# Altium PCB S7CAS-PLEIADES-CARTE-FILLE_P02.PcbDoc (part 1 of 3) (continued)
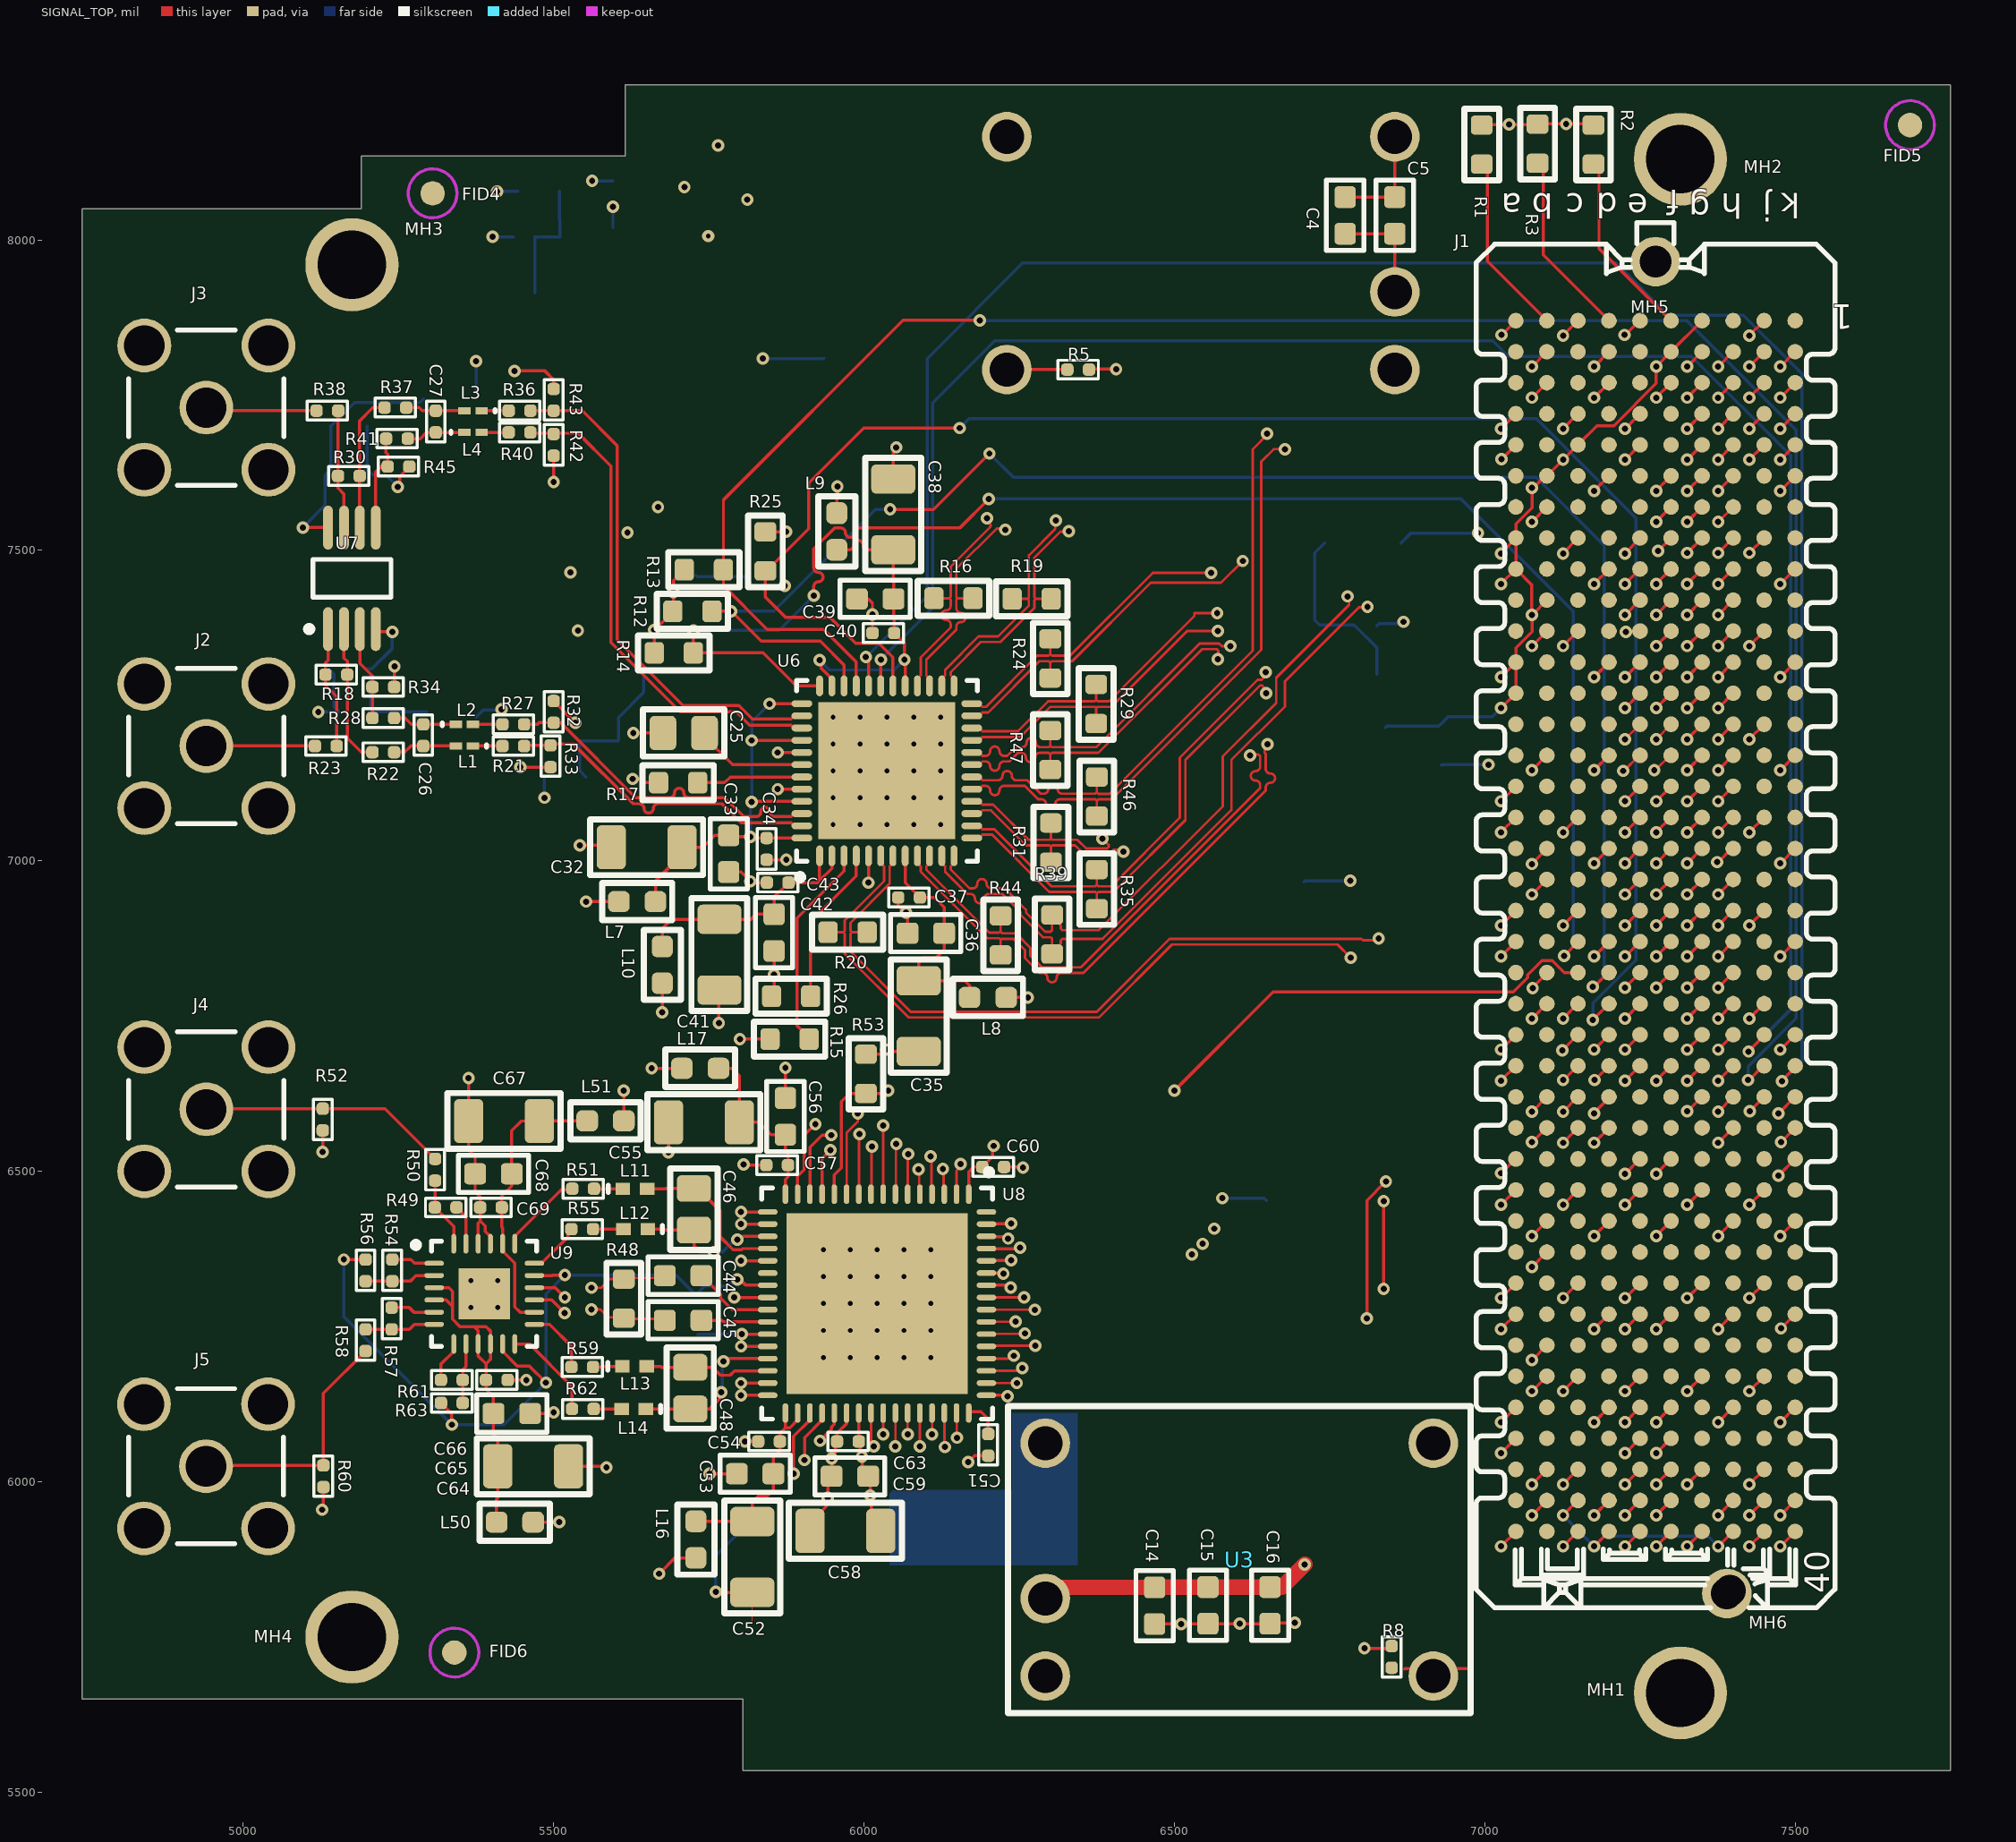
[diagram p0: SIGNAL_TOP view]
## Classes and differential pairs
differential pair class DAC_DIF: DAC_CLK DAC_D0 DAC_D1 DAC_D2 DAC_D3 DAC_D4 DAC_D5 DAC_D6 DAC_D7 DAC_DCI DAC_FRAME DAC_RAIL_I DAC_RAIL_Q
differential pair class ADC_DIF: ADC_CLK ADC_CLKOUT ADC_DA0 ADC_DA2 ADC_DA4 ADC_DA6 ADC_DA8 ADC_DA10 ADC_DA12 ADC_DB0 ADC_DB2 ADC_DB4 ADC_DB6 ADC_DB8 ADC_DB10 ADC_DB12 ADC_IN1 ADC_IN2
component class S7CAS-PLEIADES-CARTE-FILLE_P02_TITLE_SHEET: FID1 FID2 FID3 FID4 FID5 FID6 MH1 MH2 MH3 MH4 MH5 MH6
component class S7CAS-PLEIADES-CARTE-FILLE_P02_DAC: C25 C26 C27 C28 C29 C30 C31 C32 C33 C34 C35 C36 C37 C38 C39 C40 C41 C42 C43 J2 J3 L1 L2 L3 L4 L5 L6 L7 L8 L9 L10 R12 R13 R14 R15 R16 R17 R18 R19 R20 R21 R22 R23 R24 R25 R26 R27 R28 R29 R30 R31 R32 R33 R34 R35 R36 R37 R38 R39 R40 R41 R42 R43 R44 R45 R46 R47 U6 U7
component class S7CAS-PLEIADES-CARTE-FILLE_P02_CONNECTEUR_FMC: J1 R1 R2 R3
component class S7CAS-PLEIADES-CARTE-FILLE_P02_ALIMENTATION: C1 C2 C4 C5 C7 C8 C9 C12 C14 C15 C16 C17 C18 C19 C20 C21 C22 C23 C24 R4 R5 R6 R7 R8 R9 R10 R11 U1 U2 U4 U25
component class S7CAS-PLEIADES-CARTE-FILLE_P02_ADC: C44 C45 C46 C47 C48 C51 C52 C53 C54 C55 C56 C57 C58 C59 C60 C63 C64 C65 C66 C67 C68 C69 J4 J5 L11 L12 L13 L14 L16 L17 L50 L51 R48 R49 R50 R51 R52 R53 R54 R55 R56 R57 R58 R59 R60 R61 R62 R63 U8 U9
net class DIFF100: DAC_D0_N DAC_D0_P DAC_D1_N DAC_D1_P DAC_D2_N DAC_D2_P DAC_D3_P DAC_D5_N DAC_D6_N DAC_D6_P DAC_D7_N DAC_D7_P DAC_DCI_N DAC_DCI_P DAC_FRAME_N DAC_FRAME_P
differential pair ADC_IN2: +ADC_IN2_P -ADC_IN2_N
differential pair ADC_IN1: +ADC_IN1_P -ADC_IN1_N
differential pair DAC_RAIL_Q: +DAC_RAIL_Q_P -DAC_RAIL_Q_N
differential pair DAC_RAIL_I: +DAC_RAIL_I_P -DAC_RAIL_I_N
differential pair DAC_FRAME: +DAC_FRAME_P -DAC_FRAME_N
differential pair DAC_DCI: +DAC_DCI_P -DAC_DCI_N
differential pair DAC_D7: +DAC_D7_P -DAC_D7_N
differential pair DAC_D6: +DAC_D6_P -DAC_D6_N
differential pair DAC_D5: +DAC_D5_P -DAC_D5_N
differential pair DAC_D4: +DAC_D4_P -DAC_D4_N
differential pair DAC_D3: +DAC_D3_P -DAC_D3_N
differential pair DAC_D2: +DAC_D2_P -DAC_D2_N
differential pair DAC_D1: +DAC_D1_P -DAC_D1_N
differential pair DAC_D0: +DAC_D0_P -DAC_D0_N
differential pair DAC_CLK: +DAC_CLK_P -DAC_CLK_N
differential pair ADC_DB12: +ADC_DB12_P -ADC_DB12_N
differential pair ADC_DB10: +ADC_DB10_P -ADC_DB10_N
differential pair ADC_DB8: +ADC_DB8_P -ADC_DB8_N
differential pair ADC_DB6: +ADC_DB6_P -ADC_DB6_N
differential pair ADC_DB4: +ADC_DB4_P -ADC_DB4_N
differential pair ADC_DB2: +ADC_DB2_P -ADC_DB2_N
differential pair ADC_DB0: +ADC_DB0_P -ADC_DB0_N
differential pair ADC_DA12: +ADC_DA12_P -ADC_DA12_N
differential pair ADC_DA10: +ADC_DA10_P -ADC_DA10_N
differential pair ADC_DA8: +ADC_DA8_P -ADC_DA8_N
differential pair ADC_DA6: +ADC_DA6_P -ADC_DA6_N
differential pair ADC_DA4: +ADC_DA4_P -ADC_DA4_N
differential pair ADC_DA2: +ADC_DA2_P -ADC_DA2_N
differential pair ADC_DA0: +ADC_DA0_P -ADC_DA0_N
differential pair ADC_CLK: +ADC_CLK_P -ADC_CLK_N
differential pair ADC_CLKOUT: +ADC_CLKOUT_P -ADC_CLKOUT_N

## Components (designator, comment, footprint, x,y, rotation, side; value= is the part's Value field where it differs from the comment)
C1 "CAP - 0603" CAP_0603 5625,8020 r0 bottom value=100nF
C2 "CAP - 0603" CAP_0603 5625,8095 r0 bottom value=10uF
C4 "CAP - 0603" CAP_0603 6775,8039.5 r270 top value=4.7uF
C5 "CAP - 0603" CAP_0603 6855,8039.5 r270 top value=4.7uF
C7 "MAL215099101E3" CAP_ALU_1010_vishay 5935,7809.29 r90 bottom value=150uF
C8 "CAP - 0805" CAP_0805 5375,7720 r270 bottom value=10uF
C9 "CAP - 0805" CAP_0805 5476,8078 r0 bottom value=10uF
C10 "MAL215099101E3" CAP_ALU_1010_vishay 6137.71,5926 r180 bottom value=150uF
C12 "CAP - 0805" CAP_0805 5811,7486.5 r90 bottom value=1uF
C14 "CAP - 0603" CAP_0603 6468,5800.5 r90 top value=4.7uF
C15 "CAP - 0603" CAP_0603 6554,5801 r90 top value=4.7uF
C16 "CAP - 0603" CAP_0603 6654,5801 r90 top value=47nF
C17 "CAP - 0603" CAP_0603 5729,7489.5 r90 bottom value=100nF
C18 "CAP - 0805" CAP_0805 5375,7265 r90 bottom value=10uF
C19 "CAP - 0805" CAP_0805 5518.5,7135.16 r0 bottom value=10uF
C20 "CAP - 0805" CAP_0805 6930,7187.5 r270 bottom value=10uF
C21 "CAP - 0603" CAP_0603 6840,7185 r270 bottom value=100nF
C22 "CAP - TANTALUM - CASE B" CAP_TAN_1411(B) 6647,6966 r180 bottom value=22uF
C23 "MAL215099101E3" CAP_ALU_1010_vishay 6648,6453.01 r90 bottom value=150uF
C24 "CAP - TANTALUM - CASE B" CAP_TAN_1411(B) 6803.61,7512 r180 bottom value=10uF
C25 "CAP - 0805" CAP_0805 5709.5,7206 r0 top value=100nF
C26 "CAP - 0402" CAP_0402 5290,7202.5 r270 top value=220pF
C27 "CAP - 0402" CAP_0402 5310,7707.5 r90 top value=220pF
C28 "CAP - 0603" CAP_0603 5170.5,7630 r180 bottom value=3.3uF
C29 "CAP - 0603" CAP_0603 5170,7700 r180 bottom value=33nF
C30 "CAP - 0603" CAP_0603 5183.89,7240 r0 bottom value=3.3uF
C31 "CAP - 0603" CAP_0603 5167,7309 r0 bottom value=33nF
C32 "CAP - 1206" CAP_1206 5649.69,7022 r0 top value=4.7uF
C33 "CAP - 0603" CAP_0603 5782,7011.5 r90 top value=47nF
C34 "CAP - 0402" CAP_0402 5843.12,7019.23 r90 top value=470p
C35 "CAP - 1206" CAP_1206 6088,6750 r90 top value=4.7uF
C36 "CAP - 0603" CAP_0603 6099.5,6883.44 r0 top value=47nF
C37 "CAP - 0402" CAP_0402 6072.5,6941 r0 top value=470p
C38 "CAP - 1206" CAP_1206 6047,7558 r270 top value=4.7uF
C39 "CAP - 0603" CAP_0603 6018,7422 r0 top value=47nF
C40 "CAP - 0402" CAP_0402 6031,7367 r0 top value=470p
C41 "CAP - 1206" CAP_1206 5767,6849 r90 top value=4.7uF
C42 "CAP - 0603" CAP_0603 5855,6884.5 r90 top value=47nF
C43 "CAP - 0402" CAP_0402 5861,6965 r0 top value=470p
C44 "CAP - 0603" CAP_0603 5708.5,6332 r180 top value=100nF
C45 "CAP - 0603" CAP_0603 5708.5,6260 r180 top value=100nF
C46 "CAP - 0805" CAP_0805 5726,6439 r90 top value=470pF
C47 "CAP - 0805" CAP_0805 5732,6270.5 r90 bottom value=100nF
C48 "CAP - 0805" CAP_0805 5720,6151 r90 top value=470pF
C51 "CAP - 0402" CAP_0402 6200,6059.5 r90 top value=1nF
C52 "CAP - 1206" CAP_1206 5820,5879 r90 top value=10uF
C53 "CAP - 0603" CAP_0603 5824.5,6013 r0 top value=100nF
C54 "CAP - 0402" CAP_0402 5847,6065 r0 top value=1nF
C55 "CAP - 1206" CAP_1206 5742,6579 r0 top value=10uF
C56 "CAP - 0603" CAP_0603 5873.36,6588.5 r270 top value=100nF
C57 "CAP - 0402" CAP_0402 5860,6510 r0 top value=1nF
C58 "CAP - 1206" CAP_1206 5970,5921 r180 top value=10uF
C59 "CAP - 0603" CAP_0603 5977.13,6009 r180 top value=100nF
C60 "CAP - 0402" CAP_0402 6208.08,6507 r180 top value=1nF
C63 "CAP - 0402" CAP_0402 5974,6065 r180 top value=1nF
C64 "CAP - 1206" CAP_1206 5467,6025 r180 top value=10uF
C65 "CAP - 0603" CAP_0603 5432.5,6110 r180 top value=100nF
C66 "CAP - 0402" CAP_0402 5408.5,6164 r180 top value=1nF
C67 "CAP - 1206" CAP_1206 5420,6581 r0 top value=10uF
C68 "CAP - 0603" CAP_0603 5403,6496 r0 top value=100nF
C69 "CAP - 0402" CAP_0402 5399,6441.93 r0 top value=1nF
FID1 "Fiducial 1mm" FID_1MM 5305,8075 r90 bottom
FID2 "Fiducial 1mm" FID_1MM 7685,8185 r90 bottom
FID3 "Fiducial 1mm" FID_1MM 5340,5725 r90 bottom
FID4 "Fiducial 1mm" FID_1MM 5305,8075 r90 top
FID5 "Fiducial 1mm" FID_1MM 7685,8185 r90 top
FID6 "Fiducial 1mm" FID_1MM 5340,5725 r90 top
J1 "ASP-134488-01" CONN_SAMTEC_ASP-134488-01 7275,6895 r90 top
J2 "5-1814400-1" CONN_SMA_5-1814400-1 4940.5,7185 r90 top
J3 "5-1814400-1" CONN_SMA_5-1814400-1 4940.5,7730 r90 top
J4 "5-1814400-1" CONN_SMA_5-1814400-1 4940.5,6600 r90 top
J5 "5-1814400-1" CONN_SMA_5-1814400-1 4940,6025 r90 top
L1 "Inductor" 0603 5356.22,7185 r180 top value=15nH
L2 "Inductor" 0603 5356.22,7220 r0 top value=15nH
L3 "Inductor" 0603 5370,7725 r180 top value=15nH
L4 "Inductor" 0603 5370,7690 r0 top value=15nH
L5 "FER - 0603" FER_0603 5290,7714.5 r270 bottom value=100R
L6 "FER - 0603" FER_0603 5295,7269.5 r90 bottom value=100R
L7 "FER - 0603" FER_0603 5634.5,6934.46 r0 top value=100R
L8 "FER - 0603" FER_0603 6199.5,6780 r180 top value=100R
L9 "FER - 0603" FER_0603 5956,7530.5 r270 top value=100R
L10 "FER - 0603" FER_0603 5675,6832.5 r90 top value=100R
L11 "Inductor" 0402-A 5631,6472 r0 top value=15nH
L12 "Inductor" 0402-A 5632,6407 r180 top value=15nH
L13 "Inductor" 0402-A 5630.32,6186 r0 top value=15nH
L14 "Inductor" 0402-A 5629,6117.39 r180 top value=15nH
L16 "FER - 0603" FER_0603 5729,5907 r90 top value=100R
L17 "FER - 0603" FER_0603 5736,6666 r0 top value=100R
L50 "FER - 0603" FER_0603 5437.5,5935 r180 top value=100R
L51 "FER - 0603" FER_0603 5583.5,6581.36 r180 top value=100R
MH1 "Mounting Hole 6-32" MH_ENG_6-32#1 7315,5660 r0 top
MH2 "Mounting Hole 6-32" MH_ENG_6-32#1 7315,8130 r0 top
MH3 "Mounting Hole 6-32" MH_ENG_6-32#1 5175,7960 r0 top
MH4 "Mounting Hole 6-32" MH_ENG_6-32#1 5175,5750 r0 top
MH5 "Mounting Hole 6-32" MH_ENG_6-32#2 7275,7965 r0 top
MH6 "Mounting Hole 6-32" MH_ENG_6-32#2 7390,5820 r0 top
R1 "RES - 0603" RES_0603 6995,8153.5 r90 top value=10k
R2 "RES - 0603" RES_0603 7175,8153.5 r90 top value=10k
R3 "RES - 0603" RES_0603 7085,8155 r90 top value=10k
R4 "RES - 0402" RES_0402 5527.5,8005 r0 bottom value=120R0
R5 "RES - 0402" RES_0402 6345,7791.22 r180 top value=8k65
R6 "RES - 0402" RES_0402 5452.5,8005 r0 bottom value=360R0
R7 "RES - 0402" RES_0402 5524.2,7192 r180 bottom value=120R0
R8 "RES - 0402" RES_0402 6850,5718 r270 top value=11k5
R9 "RES - 0402" RES_0402 5622,7194 r180 bottom value=360R0
R10 "RES - 0402" RES_0402 6826,7283 r270 bottom value=1k
R11 "RES - 0402" RES_0402 6826,7361 r270 bottom value=3k15
R12 "RES - 0603" RES_0603 5723.5,7402 r180 top value=1k
R13 "RES - 0603" RES_0603 5742,7469 r180 top value=1k
R14 "RES - 0603" RES_0603 5693.5,7335 r180 top value=1k
R15 "RES - 0603" RES_0603 5880,6713 r180 top value=1k
R16 "RES - 0603" RES_0603 6144,7423 r0 top value=100R0
R17 "RES - 0603" RES_0603 5700.5,7126 r0 top value=10k
R18 "RES - 0402" RES_0402 5150,7300 r0 top value=1k
R19 "RES - 0603" RES_0603 6270,7422 r0 top value=100R0
R20 "RES - 0603" RES_0603 5973.5,6885 r180 top value=100R0
R21 "RES - 0402" RES_0402 5435,7185 r0 top value=10R0
R22 "RES - 0402" RES_0402 5225.5,7175 r0 top value=500R0
R23 "RES - 0402" RES_0402 5133,7185 r0 top value=50R0
R24 "RES - 0603" RES_0603 6300,7326 r270 top value=100R0
R25 "RES - 0603" RES_0603 5841,7498.5 r270 top value=1k
R26 "RES - 0603" RES_0603 5882.5,6782 r0 top value=1k
R27 "RES - 0402" RES_0402 5435,7220 r0 top value=10R0
R28 "RES - 0402" RES_0402 5225.5,7230 r0 top value=500R0
R29 "RES - 0603" RES_0603 6374,7252.68 r270 top value=100R0
R30 "RES - 0402" RES_0402 5170,7620 r0 top value=1k
R31 "RES - 0603" RES_0603 6301,7029.5 r270 top value=100R0
R32 "RES - 0402" RES_0402 5500,7240 r90 top value=25R0
R33 "RES - 0402" RES_0402 5495,7168.5 r270 top value=25R0
R34 "RES - 0402" RES_0402 5225.5,7280 r0 top value=1k
R35 "RES - 0603" RES_0603 6375,6954.5 r270 top value=100R0
R36 "RES - 0402" RES_0402 5445,7725 r0 top value=10R0
R37 "RES - 0402" RES_0402 5245,7730 r0 top value=500R0
R38 "RES - 0402" RES_0402 5135.5,7725 r0 top value=50R0
R39 "RES - 0603" RES_0603 6302.93,6881.5 r270 top value=100R0
R40 "RES - 0402" RES_0402 5445,7690 r0 top value=10R0
R41 "RES - 0402" RES_0402 5247.5,7680 r0 top value=500R0
R42 "RES - 0402" RES_0402 5500,7670 r270 top value=25R0
R43 "RES - 0402" RES_0402 5500,7742.5 r90 top value=25R0
R44 "RES - 0603" RES_0603 6220,6880 r270 top value=100R0
R45 "RES - 0402" RES_0402 5250,7635 r0 top value=1k
R46 "RES - 0603" RES_0603 6375,7103.66 r270 top value=100R0
R47 "RES - 0603" RES_0603 6300,7178.5 r270 top value=100R0
R48 "RES - 0603" RES_0603 5613,6295 r90 top value=100R0
R49 "RES - 0402" RES_0402 5326,6442 r180 top value=500R0
R50 "RES - 0402" RES_0402 5309,6502.5 r90 top value=500R0
R51 "RES - 0402" RES_0402 5547.5,6472 r180 top value=8R0
R52 "RES - 0402" RES_0402 5128,6583.5 r90 top value=54R0
R53 "RES - 0603" RES_0603 6003,6657 r270 top value=1k
R54 "RES - 0402" RES_0402 5240,6340.5 r270 top value=500R0
R55 "RES - 0402" RES_0402 5546,6407 r180 top value=8R0
R56 "RES - 0402" RES_0402 5197,6340.5 r90 top value=500R0
R57 "RES - 0402" RES_0402 5239,6263 r270 top value=500R0
R58 "RES - 0402" RES_0402 5197,6228 r270 top value=500R0
R59 "RES - 0402" RES_0402 5546,6184.89 r180 top value=8R0
R60 "RES - 0402" RES_0402 5129,6009 r90 top value=54R0
R61 "RES - 0402" RES_0402 5336,6164 r0 top value=500R0
R62 "RES - 0402" RES_0402 5547,6117.39 r180 top value=8R0
R63 "RES - 0402" RES_0402 5336,6127 r180 top value=500R0
U1 "PTN78000W" PTN78000W 6855,8166.22 r180 bottom
U2 "LM317" LM317-DCY 5470,7915 r0 bottom
U3 "PTN78000A" PTN78000A 6292.03,6062.19 r0 top
U4 "LM337" LM337-DCY 5645,7295 r180 bottom
U6 "AD9146BCPZ" DAC_AD9146BCPZ 6036.69,7145 r90 top
U7 "AD8056ARMZ" OPAMP_AD8056ARMZ 5175,7455 r90 top
U8 "ADS62P48IRGCT" ADC_ADS62P48IRGCT 6021,6287 r270 top
U9 "ADA4927-2YCPZ-R2" OPAMP_ADA4927-2YCPZ-R2 5388.21,6302.71 r0 top
U25 "LM1084" LM1084-DPAK 6726,7380 r0 bottom (schematic designator U?)

## Footprints (in the part's own frame and the unit in brackets; to place one, negate y for a bottom-side part, rotate by r counter-clockwise, add the part's x,y. Pads: shape width x height; smd on the part's side, far side on the other; paste and mask are expansions set on the pad)
0402-A [mm] "Chip Inductor, Body 1.0x0.5mm, IPC High Density"
  rect 0.6x0.5 smd: 1(-0.5,0) 2(0.5,0)
  silkscreen extent -1.1,-0.15 -1.1,0.15, body extent -0.55,-0.3 0.55,0.3, height 0.55
0603 [mm] "Chip Inductor, Body 0.6x0.3mm, IPC High Density"
  rect 0.5x0.3 smd: 1(-0.35,0) 2(0.35,0)
  silkscreen extent -0.9,-0.05 -0.9,0.05, body extent -0.33,-0.18 0.33,0.18, height 0.55
ADC_ADS62P48IRGCT [mm] "QFN, 64-Leads, Body 9,00x9,00mm, Pitch 0,50mm, Thermal Pad 7,40x7,40mm, IPC Medium Density"
  oval 0.8x0.23 smd mask+0.07: 1(-4.475,3.75) 2(-4.475,3.25) 3(-4.475,2.75) 4(-4.475,2.25) 5(-4.475,1.75) 6(-4.475,1.25) 7(-4.475,0.75) 8(-4.475,0.25) 9(-4.475,-0.25) 10(-4.475,-0.75) 11(-4.475,-1.25) 12(-4.475,-1.75) 13(-4.475,-2.25) 14(-4.475,-2.75) 15(-4.475,-3.25) 16(-4.475,-3.75) 33(4.475,-3.75) 34(4.475,-3.25) 35(4.475,-2.75) 36(4.475,-2.25) 37(4.475,-1.75) 38(4.475,-1.25) 39(4.475,-0.75) 40(4.475,-0.25) 41(4.475,0.25) 42(4.475,0.75) 43(4.475,1.25) 44(4.475,1.75) 45(4.475,2.25) 46(4.475,2.75) 47(4.475,3.25) 48(4.475,3.75)
  oval 0.23x0.8 smd mask+0.07: 17(-3.75,-4.475) 18(-3.25,-4.475) 19(-2.75,-4.475) 20(-2.25,-4.475) 21(-1.75,-4.475) 22(-1.25,-4.475) 23(-0.75,-4.475) 24(-0.25,-4.475) 25(0.25,-4.475) 26(0.75,-4.475) 27(1.25,-4.475) 28(1.75,-4.475) 29(2.25,-4.475) 30(2.75,-4.475) 31(3.25,-4.475) 32(3.75,-4.475) 49(3.75,4.475) 50(3.25,4.475) 51(2.75,4.475) 52(2.25,4.475) 53(1.75,4.475) 54(1.25,4.475) 55(0.75,4.475) 56(0.25,4.475) 57(-0.25,4.475) 58(-0.75,4.475) 59(-1.25,4.475) 60(-1.75,4.475) 61(-2.25,4.475) 62(-2.75,4.475) 63(-3.25,4.475) 64(-3.75,4.475)
  rect 7.4x7.4 smd mask+0.07: PAD(0,0)
  silkscreen extent -5.5,-4.72 4.72,4.72, body extent -4.57,-4.57 4.57,4.57, height 1
CAP_0402 [mil]
  rrect60% 20x20 smd: 1(-17.5,0) 2(17.5,0)
  silkscreen extent -32,-15 32,15, body extent -19,-10 20,10, height 20
CAP_0603 [mil]
  rrect35% 35x34 smd: 1(-29.5,0) 2(29.5,0)
  silkscreen extent -56,-30 56,30, body extent -31,-16 31,16, height 35
CAP_0805 [mil]
  rrect37% 43x55 smd: 1(-33.5,0) 2(33.5,0)
  silkscreen extent -66,-38 66,38, body extent -39,-24 40,25, height 49
CAP_1206 [mil]
  rrect34% 47x71 smd: 1(-57,0) 2(57,0)
  silkscreen extent -91,-45 91,45, body extent -62,-31 64,32, height 49
CAP_ALU_1010_vishay [mm]
  rrect50% 4.4x2.5 smd: 1(8.4,0) 2(0,0)
  silkscreen extent -0.72,-6.05 11.22,5.28, body extent -1.4,-5.18 10.2,5.12, height 10.2
CAP_TAN_1411(B) [mm]
  rect 2.21x2.35 smd: 1(-1.565,0) 2(1.565,0)
  silkscreen extent -2.9,-1.6 2.9,2.67, body extent -1.83,-1.4 1.83,1.4, height 1.92
CONN_SAMTEC_ASP-134488-01 [mm] "Connector VITA 57, 400 Male contacts in 10 row abcdefghj"
  round 1 hole 1.3 unplated mask+0.3: 1(-27.191,-3.048) 2(27.191,0)
  round 0.64 smd: a1(24.765,5.715) a2(23.495,5.715) a3(22.225,5.715) a4(20.955,5.715) a5(19.685,5.715) a6(18.415,5.715) a7(17.145,5.715) a8(15.875,5.715) a9(14.605,5.715) a10(13.335,5.715) a11(12.065,5.715) a12(10.795,5.715) a13(9.525,5.715) a14(8.255,5.715) a15(6.985,5.715) a16(5.715,5.715) a17(4.445,5.715) a18(3.175,5.715) a19(1.905,5.715) a20(0.635,5.715) a21(-0.635,5.715) a22(-1.905,5.715) a23(-3.175,5.715) a24(-4.445,5.715) a25(-5.715,5.715) a26(-6.985,5.715) a27(-8.255,5.715) a28(-9.525,5.715) a29(-10.795,5.715) a30(-12.065,5.715) a31(-13.335,5.715) a32(-14.605,5.715) a33(-15.875,5.715) a34(-17.145,5.715) a35(-18.415,5.715) a36(-19.685,5.715) a37(-20.955,5.715) a38(-22.225,5.715) a39(-23.495,5.715) a40(-24.765,5.715) b1(24.765,4.445) b2(23.495,4.445) b3(22.225,4.445) b4(20.955,4.445) b5(19.685,4.445) b6(18.415,4.445) b7(17.145,4.445) b8(15.875,4.445) b9(14.605,4.445) b10(13.335,4.445) b11(12.065,4.445) b12(10.795,4.445) b13(9.525,4.445) b14(8.255,4.445) b15(6.985,4.445) b16(5.715,4.445) b17(4.445,4.445) b18(3.175,4.445) b19(1.905,4.445) b20(0.635,4.445) b21(-0.635,4.445) b22(-1.905,4.445) b23(-3.175,4.445) b24(-4.445,4.445) b25(-5.715,4.445) b26(-6.985,4.445) b27(-8.255,4.445) b28(-9.525,4.445) b29(-10.795,4.445) b30(-12.065,4.445) b31(-13.335,4.445) b32(-14.605,4.445) b33(-15.875,4.445) b34(-17.145,4.445) b35(-18.415,4.445) b36(-19.685,4.445) b37(-20.955,4.445) b38(-22.225,4.445) b39(-23.495,4.445) b40(-24.765,4.445) c1(24.765,3.175) c2(23.495,3.175) c3(22.225,3.175) c4(20.955,3.175) c5(19.685,3.175) c6(18.415,3.175) c7(17.145,3.175) c8(15.875,3.175) c9(14.605,3.175) c10(13.335,3.175) c11(12.065,3.175) c12(10.795,3.175) c13(9.525,3.175) c14(8.255,3.175) c15(6.985,3.175) c16(5.715,3.175) c17(4.445,3.175) c18(3.175,3.175) c19(1.905,3.175) c20(0.635,3.175) c21(-0.635,3.175) c22(-1.905,3.175) c23(-3.175,3.175) c24(-4.445,3.175) c25(-5.715,3.175) c26(-6.985,3.175) c27(-8.255,3.175) c28(-9.525,3.175) c29(-10.795,3.175) c30(-12.065,3.175) c31(-13.335,3.175) c32(-14.605,3.175) c33(-15.875,3.175) c34(-17.145,3.175) c35(-18.415,3.175) c36(-19.685,3.175) c37(-20.955,3.175) c38(-22.225,3.175) c39(-23.495,3.175) c40(-24.765,3.175) d1(24.765,1.905) d2(23.495,1.905) d3(22.225,1.905) d4(20.955,1.905) d5(19.685,1.905) d6(18.415,1.905) d7(17.145,1.905) d8(15.875,1.905) d9(14.605,1.905) d10(13.335,1.905) d11(12.065,1.905) d12(10.795,1.905) d13(9.525,1.905) d14(8.255,1.905) d15(6.985,1.905) d16(5.715,1.905) d17(4.445,1.905) d18(3.175,1.905) d19(1.905,1.905) d20(0.635,1.905) d21(-0.635,1.905) d22(-1.905,1.905) d23(-3.175,1.905) d24(-4.445,1.905) d25(-5.715,1.905) d26(-6.985,1.905) d27(-8.255,1.905) d28(-9.525,1.905) d29(-10.795,1.905) d30(-12.065,1.905) d31(-13.335,1.905) d32(-14.605,1.905) d33(-15.875,1.905) d34(-17.145,1.905) d35(-18.415,1.905) d36(-19.685,1.905) d37(-20.955,1.905) d38(-22.225,1.905) d39(-23.495,1.905) d40(-24.765,1.905) e1(24.765,0.635) e2(23.495,0.635) e3(22.225,0.635) e4(20.955,0.635) e5(19.685,0.635) e6(18.415,0.635) e7(17.145,0.635) e8(15.875,0.635) e9(14.605,0.635) e10(13.335,0.635) e11(12.065,0.635) e12(10.795,0.635) e13(9.525,0.635) e14(8.255,0.635) e15(6.985,0.635) e16(5.715,0.635) e17(4.445,0.635) e18(3.175,0.635) e19(1.905,0.635) e20(0.635,0.635) e21(-0.635,0.635) e22(-1.905,0.635) e23(-3.175,0.635) e24(-4.445,0.635) e25(-5.715,0.635) e26(-6.985,0.635) e27(-8.255,0.635) e28(-9.525,0.635) e29(-10.795,0.635) e30(-12.065,0.635) e31(-13.335,0.635) e32(-14.605,0.635) e33(-15.875,0.635) e34(-17.145,0.635) e35(-18.415,0.635) e36(-19.685,0.635) e37(-20.955,0.635) e38(-22.225,0.635) e39(-23.495,0.635) e40(-24.765,0.635) f1(24.765,-0.635) f2(23.495,-0.635) f3(22.225,-0.635) f4(20.955,-0.635) f5(19.685,-0.635) f6(18.415,-0.635) f7(17.145,-0.635) f8(15.875,-0.635) f9(14.605,-0.635) f10(13.335,-0.635) f11(12.065,-0.635) f12(10.795,-0.635) f13(9.525,-0.635) f14(8.255,-0.635) f15(6.985,-0.635) f16(5.715,-0.635) f17(4.445,-0.635) f18(3.175,-0.635) f19(1.905,-0.635) f20(0.635,-0.635) f21(-0.635,-0.635) f22(-1.905,-0.635) f23(-3.175,-0.635) f24(-4.445,-0.635) f25(-5.715,-0.635) f26(-6.985,-0.635) f27(-8.255,-0.635) f28(-9.525,-0.635) f29(-10.795,-0.635) f30(-12.065,-0.635) f31(-13.335,-0.635) f32(-14.605,-0.635) f33(-15.875,-0.635) f34(-17.145,-0.635) f35(-18.415,-0.635) f36(-19.685,-0.635) f37(-20.955,-0.635) f38(-22.225,-0.635) f39(-23.495,-0.635) f40(-24.765,-0.635) g1(24.765,-1.905) g2(23.495,-1.905) g3(22.225,-1.905) g4(20.955,-1.905) g5(19.685,-1.905) g6(18.415,-1.905) g7(17.145,-1.905) g8(15.875,-1.905) g9(14.605,-1.905) g10(13.335,-1.905) g11(12.065,-1.905) g12(10.795,-1.905) g13(9.525,-1.905) g14(8.255,-1.905) g15(6.985,-1.905) g16(5.715,-1.905) g17(4.445,-1.905) g18(3.175,-1.905) g19(1.905,-1.905) g20(0.635,-1.905) g21(-0.635,-1.905) g22(-1.905,-1.905) g23(-3.175,-1.905) g24(-4.445,-1.905) g25(-5.715,-1.905) g26(-6.985,-1.905) g27(-8.255,-1.905) g28(-9.525,-1.905) g29(-10.795,-1.905) g30(-12.065,-1.905) g31(-13.335,-1.905) g32(-14.605,-1.905) g33(-15.875,-1.905) g34(-17.145,-1.905) g35(-18.415,-1.905) g36(-19.685,-1.905) g37(-20.955,-1.905) g38(-22.225,-1.905) g39(-23.495,-1.905) g40(-24.765,-1.905) h1(24.765,-3.175) h2(23.495,-3.175) h3(22.225,-3.175) h4(20.955,-3.175) h5(19.685,-3.175) h6(18.415,-3.175) h7(17.145,-3.175) h8(15.875,-3.175) h9(14.605,-3.175) h10(13.335,-3.175) h11(12.065,-3.175) h12(10.795,-3.175) h13(9.525,-3.175) h14(8.255,-3.175) h15(6.985,-3.175) h16(5.715,-3.175) h17(4.445,-3.175) h18(3.175,-3.175) h19(1.905,-3.175) h20(0.635,-3.175) h21(-0.635,-3.175) h22(-1.905,-3.175) h23(-3.175,-3.175) h24(-4.445,-3.175) h25(-5.715,-3.175) h26(-6.985,-3.175) h27(-8.255,-3.175) h28(-9.525,-3.175) h29(-10.795,-3.175) h30(-12.065,-3.175) h31(-13.335,-3.175) h32(-14.605,-3.175) h33(-15.875,-3.175) h34(-17.145,-3.175) h35(-18.415,-3.175) h36(-19.685,-3.175) h37(-20.955,-3.175) h38(-22.225,-3.175) h39(-23.495,-3.175) h40(-24.765,-3.175) j1(24.765,-4.445) j2(23.495,-4.445) j3(22.225,-4.445) j4(20.955,-4.445) j5(19.685,-4.445) j6(18.415,-4.445) j7(17.145,-4.445) j8(15.875,-4.445) j9(14.605,-4.445) j10(13.335,-4.445) j11(12.065,-4.445) j12(10.795,-4.445) j13(9.525,-4.445) j14(8.255,-4.445) j15(6.985,-4.445) j16(5.715,-4.445) j17(4.445,-4.445) j18(3.175,-4.445) j19(1.905,-4.445) j20(0.635,-4.445) j21(-0.635,-4.445) j22(-1.905,-4.445) j23(-3.175,-4.445) j24(-4.445,-4.445) j25(-5.715,-4.445) j26(-6.985,-4.445) j27(-8.255,-4.445) j28(-9.525,-4.445) j29(-10.795,-4.445) j30(-12.065,-4.445) j31(-13.335,-4.445) j32(-14.605,-4.445) j33(-15.875,-4.445) j34(-17.145,-4.445) j35(-18.415,-4.445) j36(-19.685,-4.445) j37(-20.955,-4.445) j38(-22.225,-4.445) j39(-23.495,-4.445) j40(-24.765,-4.445) k1(24.765,-5.715) k2(23.495,-5.715) k3(22.225,-5.715) k4(20.955,-5.715) k5(19.685,-5.715) k6(18.415,-5.715) k7(17.145,-5.715) k8(15.875,-5.715) k9(14.605,-5.715) k10(13.335,-5.715) k11(12.065,-5.715) k12(10.795,-5.715) k13(9.525,-5.715) k14(8.255,-5.715) k15(6.985,-5.715) k16(5.715,-5.715) k17(4.445,-5.715) k18(3.175,-5.715) k19(1.905,-5.715) k20(0.635,-5.715) k21(-0.635,-5.715) k22(-1.905,-5.715) k23(-3.175,-5.715) k24(-4.445,-5.715) k25(-5.715,-5.715) k26(-6.985,-5.715) k27(-8.255,-5.715) k28(-9.525,-5.715) k29(-10.795,-5.715) k30(-12.065,-5.715) k31(-13.335,-5.715) k32(-14.605,-5.715) k33(-15.875,-5.715) k34(-17.145,-5.715) k35(-18.415,-5.715) k36(-19.685,-5.715) k37(-20.955,-5.715) k38(-22.225,-5.715) k39(-23.495,-5.715) k40(-24.765,-5.715)
  silkscreen extent -27.89,-7.34 28.78,7.34, body extent -27.89,-7.34 28.78,7.34, height 5.61
CONN_SMA_5-1814400-1 [mm] "SMA Right Angle Jack, 14.8x6.35x9.6mm"
  round 2.2 hole 1.65: 1(0,0) 2(-2.54,2.54) 3(2.54,2.54) 4(-2.54,-2.54) 5(2.54,-2.54)
  silkscreen extent -3.17,-3.17 3.17,3.17, body extent -3.15,-3.16 3.18,11.04, height 10.47
DAC_AD9146BCPZ [mm] "QFN, 48-Leads, Body 7x7mm, Pitch 0.5mm, Thermal Pad 5.6x5.6mm, IPC Medium Density"
  oval 0.85x0.28 smd mask+0.07: 1(-3.475,2.75) 2(-3.475,2.25) 3(-3.475,1.75) 4(-3.475,1.25) 5(-3.475,0.75) 6(-3.475,0.25) 7(-3.475,-0.25) 8(-3.475,-0.75) 9(-3.475,-1.25) 10(-3.475,-1.75) 11(-3.475,-2.25) 12(-3.475,-2.75) 25(3.475,-2.75) 26(3.475,-2.25) 27(3.475,-1.75) 28(3.475,-1.25) 29(3.475,-0.75) 30(3.475,-0.25) 31(3.475,0.25) 32(3.475,0.75) 33(3.475,1.25) 34(3.475,1.75) 35(3.475,2.25) 36(3.475,2.75)
  oval 0.28x0.85 smd mask+0.07: 13(-2.75,-3.475) 14(-2.25,-3.475) 15(-1.75,-3.475) 16(-1.25,-3.475) 17(-0.75,-3.475) 18(-0.25,-3.475) 19(0.25,-3.475) 20(0.75,-3.475) 21(1.25,-3.475) 22(1.75,-3.475) 23(2.25,-3.475) 24(2.75,-3.475) 37(2.75,3.475) 38(2.25,3.475) 39(1.75,3.475) 40(1.25,3.475) 41(0.75,3.475) 42(0.25,3.475) 43(-0.25,3.475) 44(-0.75,3.475) 45(-1.25,3.475) 46(-1.75,3.475) 47(-2.25,3.475) 48(-2.75,3.475)
  rect 5.6x5.6 smd mask+0.07: PAD(0,0)
  silkscreen extent -4.47,-3.7 3.7,3.7, body extent -3.55,-3.55 3.55,3.55, height 0.8
FER_0603 [mil]
  rrect53% 35x34 smd: 1(-29.5,0) 2(29.5,0)
  silkscreen extent -57,-30 57,30, body extent -31,-16 31,15, height 31
FID_1MM [mm] "Fiducial 1mm diameter - Exposed 2mm"
  round 1 all layers, no hole paste-1 mask+0.5: 0(0,0)
  Keep-Out Layer circle w0.127: c0,0 r1
LM317-DCY [mil] "Low drop out voltage regulator"
  oval 37x84 smd mask+6: 1(0,0) 2(90,0) 3(180,0)
  oval 128x85 smd mask+6: 4(90,225)
  silkscreen extent -40,-60 215,290
LM337-DCY [mil] "Low drop out voltage regulator"
  oval 37x84 smd mask+6: 1(0,0) 2(90,0) 3(180,0)
  oval 128x85 smd mask+6: 4(90,225)
  silkscreen extent -40,-60 215,290
LM1084-DPAK [mil] "5A low dropout regulator"
  oval 85x42 smd mask+6: 1(0,0) 2(0,100) 3(0,200)
  rect 275x425 smd mask+6: 4(-420,100)
  silkscreen extent -570,-125 65,325
MH_ENG_6-32#1 [mil] "Mounting hole - Imperial 6-32"
  round 150 hole 110: 1(0,0)
MH_ENG_6-32#2 [mil] "Mounting hole - Imperial 6-32"
  round 80 hole 51: 1(0,0)
OPAMP_AD8056ARMZ [mm] "SOP, 8-Leads, Body 3x3mm, Pitch 0.65mm, IPC Medium Density"
  oval 1.8x0.4 smd mask+0.07: 1(-2.075,0.975) 2(-2.075,0.325) 3(-2.075,-0.325) 4(-2.075,-0.975) 5(2.075,-0.975) 6(2.075,-0.325) 7(2.075,0.325) 8(2.075,0.975)
  silkscreen extent -2.2,-1.6 0.77,1.87, body extent -2.12,-1.53 2.07,1.52, height 1.3
OPAMP_ADA4927-2YCPZ-R2 [mm] "QFN, 24-Leads, Body 4,00x4,00mm, Pitch 0,50mm, Thermal Pad 2,10x2,10mm, IPC Low Density"
  oval 0.8x0.2 smd mask+0.075: 1(-2.05,1.25) 2(-2.05,0.75) 3(-2.05,0.25) 4(-2.05,-0.25) 5(-2.05,-0.75) 6(-2.05,-1.25) 13(2.05,-1.25) 14(2.05,-0.75) 15(2.05,-0.25) 16(2.05,0.25) 17(2.05,0.75) 18(2.05,1.25)
  oval 0.2x0.8 smd mask+0.075: 7(-1.25,-2.05) 8(-0.75,-2.05) 9(-0.25,-2.05) 10(0.25,-2.05) 11(0.75,-2.05) 12(1.25,-2.05) 19(1.25,2.05) 20(0.75,2.05) 21(0.25,2.05) 22(-0.25,2.05) 23(-0.75,2.05) 24(-1.25,2.05)
  rect 2.1x2.1 smd mask+0.075: PAD(0,0)
  silkscreen extent -2.92,-2.15 2.15,2.15, body extent -2,-2 2,2, height 1
PTN78000A [mil] "1.5A Wide input adjustable regulator"
  round 80 hole 55 mask+6: 1(0,0) 2(0,-250) 3(0,-375) 4(625,-375) 5(625,0)
  SIGNAL_TOP region: -925,120
  silkscreen extent -60,-435 685,60
PTN78000W [mil] "1.5A Wide input adjustable regulator"
  round 80 hole 55 mask+6: 1(0,0) 2(0,-250) 3(0,-375) 4(625,-375) 5(625,0)
  SIGNAL_TOP region: -925,120
  silkscreen extent -60,-435 685,60
RES_0402 [mil]
  rrect60% 20x20 smd: 1(-17.5,0) 2(17.5,0)
  silkscreen extent -32,-15 32,15, body extent -23,-11 23,11, height 16
RES_0603 [mil]
  rrect39% 31x35 smd: 1(-31.5,0) 2(31.5,0)
  silkscreen extent -58,-28 58,28, body extent -33,-16 33,16, height 22

## Part data
C1 C2 C4 C5 C14 C15 C16 C17 C21 C28 C29 C30 C31 C33 C36 C39 C42 C44 C45 C53 C56 C59 C65 C68: Package=0603, Voltage=50V, CreatedBy="Jonathan Bouchard", Precision=10%
C7 C10 C23: library part CAP_ALU_MAL215099101E3, "CAP - ALU 100uF 20% 50V - 1010", Current=490mA, Package=1010, Supplier Part Number 1=4399PHDKR-ND, Temperature="-55°C to 125°C", Voltage=50V, CreatedBy="Jonathan Bouchard", HelpURL=http://www.vishay.com/docs/28395/150crz.pdf, Mfg="Vishay Dale", Mfg Part Number=MAL215099101E3, Precision=20%, Supplier 1=Digikey
C8 C9 C12 C18 C19 C20 C25 C46 C47 C48: Package=0805, Voltage=50V, CreatedBy="Jonathan Bouchard", Precision=10%
C22 C24: library part CAP_TANT_1411(B), "CAP - TANTALUM - 1411", Package=1411, Voltage=6.3V, CreatedBy="Jonathan Bouchard", Precision=10%
C26 C27: Mfg Part Number=GRM022R60J104KE15, Package=0402, Voltage=6.3V, CreatedBy="Jonathan Bouchard", Mfg=Murata, Precision=10%
C32 C35 C38 C41 C52 C55 C58 C64 C67: Package=1206, Voltage=50V, CreatedBy="Jonathan Bouchard", Precision=10%
C34 C37 C40 C43 C51 C54 C57 C60 C63 C66 C69: Package=0402, Voltage=25V, CreatedBy="Jonathan Bouchard", Precision=10%
FID1 FID2 FID3 FID4 FID5 FID6: library part FID_1MM, "FID - 1MM", CreatedBy="Jonathan Bouchard", FootprintNameOK="Jonathan Bouchard", VerifiedBy="Alexandre Imbeault"
J1: library part CONN_SAMTEC_ASP-134488-01, "CONN - VITA 57 MEZZ MALE (DAUGHTERBOARD) HIGH DENSITY - SMD-400", Current=1.8A, Package=SMD-400, Temperature="-55 °C to +125 °C", Voltage=240VAC, CreatedBy="Jonathan Bouchard", HelpURL=http://suddendocs.samtec.com/prints/asp-134488-01-mkt.pdf, Mfg=Samtec, Mfg Part Number=ASP-134488-01
J2 J3 J4 J5: library part CONN_SMA_5-1814400-1, "CONN -  SMA JACK R/A 50 OHM - TH", Package=TH-5, Supplier Part Number 1=A97593-ND, Temperature="-55°C ~ 85°C", CreatedBy="Jonathan Bouchard", HelpURL=http://www.te.com/commerce/DocumentDelivery/DDEController?Action=srchrtrv&DocNm=1814400&DocType=Customer+Drawing&DocLang=English, Mfg="TE Connectivity AMP Connectors", Mfg Part Number=5-1814400-1, Supplier 1=Digikey
L5 L6 L7 L8 L9 L10 L16 L17 L50 L51: Current=1A, Package=0603, CreatedBy="Jonathan Bouchard"
MH1 MH2 MH3 MH4 MH5 MH6: library part MH_6-32, "MH - Mounting Hole 6-32", CreatedBy="Jonathan Bouchard", FootprintNameOK="Jonathan Bouchard", VerifiedBy="Alexandre Imbeault"
R1 R2 R3 R12 R13 R14 R15 R16 R17 R19 R20 R24 R25 R26 R29 R31 R35 R39 R44 R46 R47 R48 R53: Package=0603, CreatedBy="Jonathan Bouchard", Precision=1%
R4 R6 R7 R8 R9 R10 R11 R18 R21 R22 R27 R28 R30 R32 R33 R34 R36 R37 R40 R41 R42 R43 R45 R49 R50 R51 R52 R54 R55 R56 R57 R58 R59 R60 R61 R62 R63: Package=0402, Power=1/16W, Voltage=50V, CreatedBy="Jonathan Bouchard", Precision=1%
R5: "RES - 0402 - 1/16W", Package=0402, Power=1/16W, Voltage=50V, CreatedBy="Jonathan Bouchard", Precision=1%
R23 R38: Package=0603, Power=1/16W, Voltage=50V, CreatedBy="Jonathan Bouchard", Precision=1%
U1: library part PTN78000H, "XXX - 1.5-A, / WIDE-INPUT / ADJUSTABLE / SWITCHING / REGULATOR - Package", GRAMS Lib Spec=2.7
U6: library part DAC_AD9146BCPZ, "DAC - 16BIT SRL HIGH SPEED - QFN-48", Package=QFN-48, Supplier Part Number 1=AD9146BCPZ-ND, Temperature="-40°C ~ 85°C", Voltage="3.13 V ~ 3.47 V / 1.71 V ~ 1.89 V", CreatedBy="Jonathan Bouchard", HelpURL=http://www.analog.com/media/en/technical-documentation/data-sheets/AD9146.PDF, Mfg="Analog Devices Inc.", Mfg Part Number=AD9146BCPZ, Precision="16 Bit", Supplier 1=Digikey
U7: library part OPAMP_AD8056ARMZ, "OPAMP - VFB 300MHZ - 8MSOP", Current=60mA, Package=MSOP-8, Supplier Part Number 1=AD8056ARMZ-REEL7CT-ND, Temperature="-40°C ~ 125°C", Voltage="8 V ~ 12 V, ±4 V ~ 6 V", CreatedBy="Jonathan Bouchard", HelpURL=http://www.analog.com/media/en/technical-documentation/data-sheets/AD8055_8056.pdf, Mfg="Analog Devices", Mfg Part Number=AD8056ARMZ, Supplier 1=Digikey
U8: library part ADC_ADS62P48IRGCT, "ADC - 14 BIT 210MSPS SUAL - VQFN-64", Package=VQFN-64, Supplier Part Number 1=296-24611-1-ND, Temperature="-40°C ~ 85°C", Voltage="3.15 V ~ 3.6 V / 1.7 V ~ 1.9 V", CreatedBy="Jonathan Bouchard", HelpURL=http://www.ti.com/lit/ds/symlink/ads62p48.pdf, Mfg="Texas Instruments", Mfg Part Number=ADS62P48IRGCT, Precision="14 Bit", Supplier 1=Digikey
U9: library part OPAMP_ADA4927-2YCPZ-R2, "OPAMP - CFA 2.3GHZ - QFN-24", Current=65mA, Package=QFN-24, Supplier Part Number 1=ADA4927-2YCPZ-R2CT-ND, Temperature="-40°C ~ 105°C", Voltage="4.5 V ~ 11 V, ±2.25 V ~ 5.5 V", CreatedBy="Jonathan Bouchard", HelpURL=http://www.analog.com/media/en/technical-documentation/data-sheets/ADA4927-1_4927-2.pdf, Mfg="Analog Devices", Mfg Part Number=ADA4927-2YCPZ-R2, Supplier 1=Digikey
L1 L2 L3 L4 L11 L12 L13 L14: Code_IEC=1005, Code_JEITA=0402, LatestRevisionDate=29-May-2009, LatestRevisionNote="IPC-7351 Footprint Added.", PackageDescription="Chip Inductor", PackageReference=0402-A, Published=8-Jun-2000, Publisher="Altium Limited"

## Via types
v1: diameter 20/20/20/20 (per signal layer), hole 10, SIGNAL_TOP to SIGNAL_BOTTOM, 426 vias
v2: diameter 19.68, hole 7.87, SIGNAL_TOP to SIGNAL_BOTTOM, 55 vias
v3: diameter 20, hole 10, SIGNAL_TOP to SIGNAL_BOTTOM, 1 vias

## Nets (pads, with @x,y where several pads share a name; then routed paths per layer and width w, separated by ;. In a path a pad name is that pad's centre, name@x,y a point inside that pad or via, vN(x,y) a via of type N, cw(c..) or ccw(c..) an arc to the next point about the centre after c; other vN are vias at no path point)
3P3V: C20.2 C21.2 J1.e39 J1.f36 J1.f38 J1.f40 L7.1 L16.1 L17.1 L50.1 L51.1 R1.2 R2.2 R3.2 U25.3 | length 655.6
  SIGNAL_TOP w5: L50.1@5467,5935 v1(5509,5935) ; v1(5552.46,6934.46) L7.1@5605,6934.46 ; L51.1@5613,6581.36 v1(5613,6630) ; v1(5657.86,6666) L17.1@5706.5,6666 ; v1(5670,5852) 5695.5,5877.5 L16.1@5729,5877.5 ; R1.2@6995,8185 6996,8186 7038.5,8186 7039,8186.5 7039.5,8186 7084.5,8186 R3.2@7085,8186.5 7085.5,8187 v1(7131,8187) 7173,8187 R2.2@7175,8185 ; v1(7226,5946) J1.e39@7250,5970 ; v1(7276,5896) J1.f40@7300,5920 ; v1(7276,5996) J1.f38@7300,6020 ; v1(7276,6096) J1.f36@7300,6120
  SIGNAL_BOTTOM w5: C20.2@6930,7154 6931,7155 v1(7006,7155)
  other v1: 7039,8186
5N0V: C18.2 L6.2 R7.2 U4.3
5N0V_OP: C30.2 C31.2 L6.1 U7.4 | length 270.8
  SIGNAL_TOP w5: U7.4@5213.39,7373.31 5217.69,7369 5239.11,7369 v1@5240.11,7370
  SIGNAL_BOTTOM w5: v1(5240.11,7369) 5240.11,7342.11 5207,7309 C31.2@5196.5,7309 5204.94,7300.56 5204.94,7248.44 C30.2@5213.39,7240 L6.1@5295,7240
5P0V: C8.2 L5.2 R4.2 U2.2 U2.4
5P0V_OP: C28.2 C29.2 L5.1 U7.8 | length 390.4
  SIGNAL_TOP w5: v1(5096,7536.84) 5136.47,7536.84 U7.8@5136.61,7536.69
  SIGNAL_BOTTOM w5: v1(5096,7536.84) 5131.95,7572.79 5131.95,7620.95 C28.2@5141,7630 5140.75,7630.25 5140.75,7699.75 C29.2@5140.5,7700 5141,7700 5179.01,7738.01 5284.01,7738.01 L5.1@5290,7744
7N0V: C10.2 C12.2 C17.2 R8.1 U3.1 U4.2 U4.4 | length 47.6
  SIGNAL_TOP w5: v1(6806,5731.75) R8.1@6853,5731.75
  SIGNAL_BOTTOM w8: U3.1@6318.18,6070.19 U3.1@6318.81,6070.19
  other v1: 5539,7371 5527,7464.62 5618.92,7529 5668,7570
7P0V: C1.2 C2.2 C7.1 U1.5 U2.3
  other v1: 5812,8065 5710.5,8085 5765,8152
  other v2: 5749,8006
12P0V: C4.2 C5.2 C14.2 C15.2 C16.2 J1.e35 J1.e37 U1.2 U3.2 | length 682.3
  SIGNAL_TOP w5: U3.2@6292.03,5812.19 U3.2@6303.84,5824 ; C14.2@6468,5830 C14.2@6468.25,5830.25 ; C15.2@6553.75,5830.25 C15.2@6554,5830.5 ; C16.2@6654,5830.5 6673.5,5830.5 ; C4.2@6775,8010 C5.2@6855,8010 U1.2@6855,7916.22 ; v1(7226,6046) J1.e37@7250,6070 ; v1(7226,6146) J1.e35@7250,6170
  SIGNAL_TOP w25: U3.2@6303.84,5824 6309.84,5830 C14.2@6468,5830 ; C14.2@6468.25,5830.25 C15.2@6553.75,5830.25 ; C15.2@6554,5830.5 C16.2@6654,5830.5 ; 6673.5,5830.5 v1(6710,5867)
#ADC_SEN: J1.d25 U8.15 | length 1595.1
  SIGNAL_TOP w5: U8.15@5893.05,6463.18 5893.05,6492.05 5903.73,6502.73 5903.73,6558.11 v1(5921.62,6576) ; v1(7177,6647) J1.d25@7200,6670
  INNER_SIGNAL_3 w5: v1(5921.62,6576) 5953.06,6576 6042.56,6486.5 6485.56,6486.5 v1(6564.4,6407.67)
  INNER_SIGNAL_8 w5: v1(6564.4,6407.67) 6961,6407.67 7177,6623.67 v1(7177,6647)
#DAC_CS: J1.j25 R13.1 U6.33 | length 3476.8
  SIGNAL_TOP w5: U6.33@5987.48,7281.81 5987.48,7320.48 5934.96,7373 5844,7373 5773.5,7443.5 R13.1@5773.5,7469 5773.5,7581.3 6062.69,7870.49 v1(6186.51,7870.49) ; v1(7424,6647) 7425.5,6647 7448.5,6670 J1.j25@7450,6670
  SIGNAL_BOTTOM w5: v1(6186.51,7870.49) 6187.28,7869.72 7325.61,7869.72 7501.5,7693.83 7501.5,6746.17 7424,6668.67 v1(7424,6647)
#DAC_IRQ: J1.d22 R12.1 U6.34 | length 2609.3
  SIGNAL_TOP w5: R12.1@5755,7402 v1(5786,7402) 5834.31,7353.69 5929.49,7353.69 5967.8,7315.38 U6.34@5967.8,7281.81 ; v1(6042,7566) 6112,7566 v1(6202,7656) ; v1(7174,6797) 7175.5,6797 7198.5,6820 J1.d22@7200,6820
  SIGNAL_BOTTOM w5: v1(5786,7402) 5854.33,7402 6018.33,7566 v1(6042,7566) ; v1(6202,7656) 6240.5,7617.5 7082.83,7617.5 7192.5,7507.83 7192.5,6815.5 v1(7174,6797)
#DAC_RESET: J1.c21 R14.1 U6.36 | length 2513.2
  SIGNAL_TOP w5: v1(5725,7371) R14.1@5725,7335 5837.2,7335 5890.39,7281.81 U6.36@5928.43,7281.81 ; v1(5919,7427) 5919,7442 cw(c5926.5,7442) 5926.5,7449.5 ccw(c5926.5,7457) 5926.5,7464.5 cw(c5926.5,7472) 5919,7472 5919,7502.41 5952.59,7536 5962.59,7536 cw(c5962.59,7528.5) 5970.09,7528.5 ccw(c5977.59,7528.5) 5985.09,7528.5 cw(c5992.59,7528.5) 5992.59,7536 6154,7536 v1(6201,7583) ; v1(7128,6847) 7128,6847.5 7150,6869.5 J1.c21@7150,6870
  SIGNAL_BOTTOM w5: v1(5725,7371) 5863,7371 v1(5919,7427) ; v1(6201,7583) 6961.33,7583 7142.5,7401.83 7142.5,6861.5 v1(7128,6847)
ADC_CLK_N: C45.2 J1.k5 R48.1 | length 2751
  SIGNAL_TOP w4: v1(5561,6277.5) 5575.5,6277.5 5588,6265 5611.5,6265 R48.1@5613,6263.5 5613.95,6262.55 5676.45,6262.55 C45.2@5679,6260
  SIGNAL_TOP w5: v1(7476,7646) J1.k5@7500,7670
  INNER_SIGNAL_8 w4: v1(5561,6277.5) 5563.34,6277.5 5571.34,6285.5 5583.5,6285.5 5790,6492 5790,6517.63 6017.37,6745 6278.5,6745 6904,7370.5 6904,7465.63 7055.37,7617 7096.12,7617 7102.12,7611 7164.5,7611 7165.5,7612 7205.72,7612 7206.72,7611 7268.37,7611 7269.37,7612 7440.08,7612 7460,7631.92 7460,7652.63 7469.37,7662 7473.66,7662 7476,7659.66 v1(7476,7646)
ADC_CLK_P: C44.2 J1.k4 R48.2 | length 2752.2
  SIGNAL_TOP w4: v1(5561,6312.5) 5576.5,6312.5 5590.5,6326.5 R48.2@5613,6326.5 5614.95,6328.45 5675.45,6328.45 C44.2@5679,6332
  SIGNAL_TOP w5: v1(7476,7696) J1.k4@7500,7720
  INNER_SIGNAL_8 w4: v1(5561,6312.5) 5563.34,6312.5 5571.34,6304.5 5575.63,6304.5 5771,6499.87 5771,6525.5 6009.5,6764 6270.63,6764 6885,7378.37 6885,7473.5 7047.5,7636 7103.99,7636 7109.99,7630 7156.63,7630 7157.63,7631 7213.59,7631 7214.59,7630 7260.5,7630 7261.5,7631 7318.37,7631 7319.37,7630 7432.63,7630 7442,7639.37 7442,7660.08 7461.92,7680 7473.66,7680 7476,7682.34 v1(7476,7696)